# Altium PCB Urukul.PcbDoc (part 7 of 12)
Units mm, origin at the board's own origin, x right, y up, seen from the top; angles counter-clockwise.
Board outline 160.99 x 100 mm, 6 copper layers (L1, P2, L3, L4, P5, L6), stack 1.648 mm thick; 971 components, 541 nets, 3373 pads, 2358 vias.
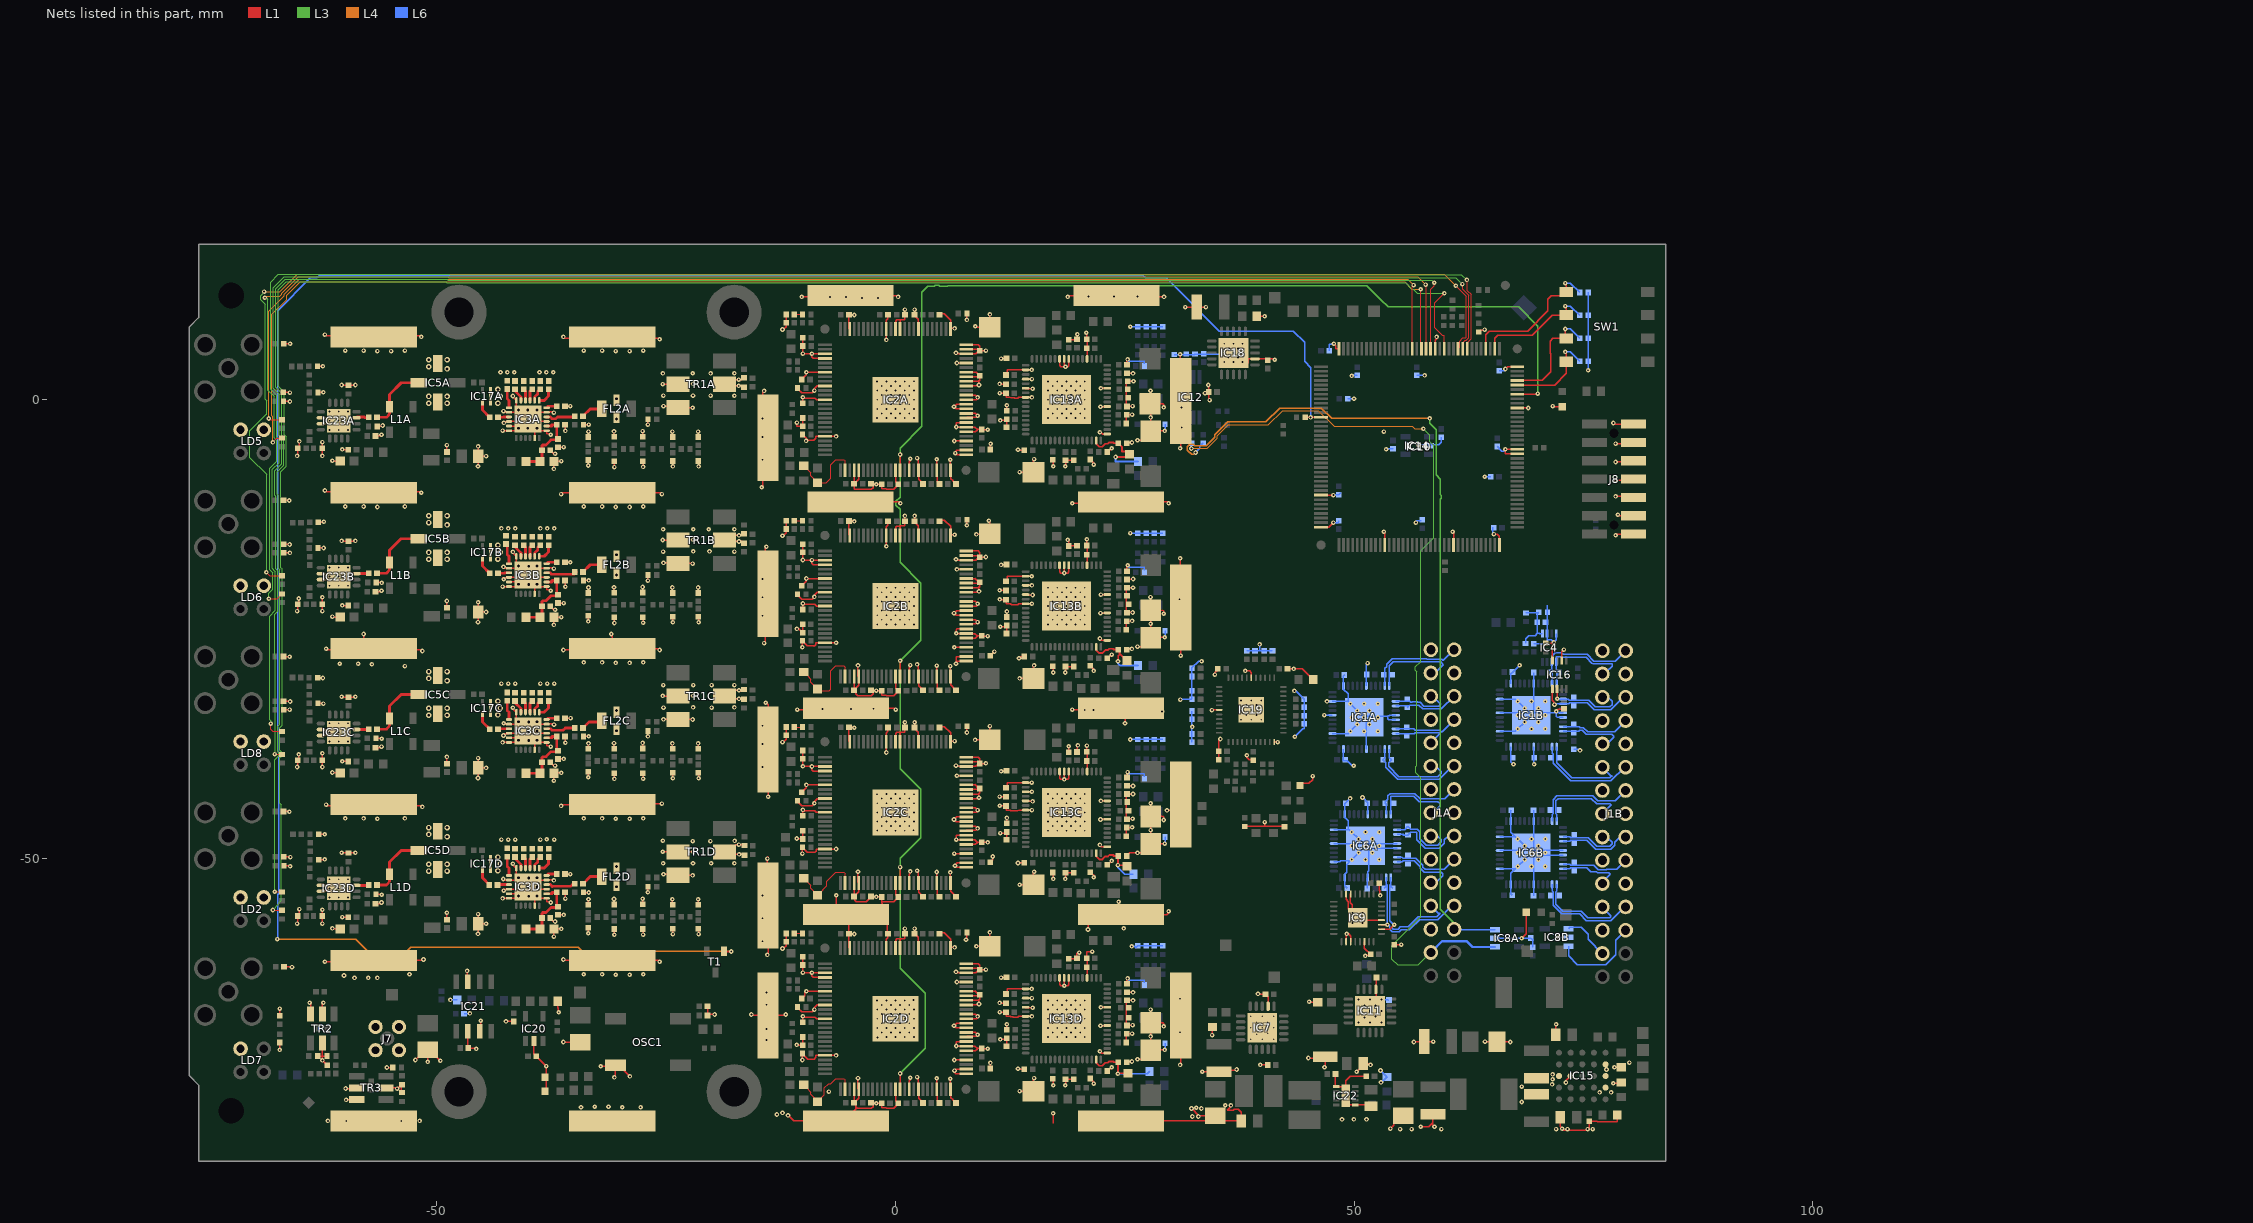
[diagram p11: the nets of this part, all layers, seen from the top]

## Via types
v1: diameter 0.5, hole 0.2, L1 to L6, tented both sides, 2267 vias
v2: diameter 0.6, hole 0.3, L1 to L6, tented both sides, 88 vias
v3: diameter 0.5, hole 0.2, L1 to L6, 3 vias

## Nets (pads, with @x,y where several pads share a name; then routed paths per layer and width w, separated by ;. In a path a pad name is that pad's centre, name@x,y a point inside that pad or via, vN(x,y) a via of type N, cw(c..) or ccw(c..) an arc to the next point about the centre after c; other vN are vias at no path point) (continued)
GND: (continued)
  L1 w0.152: v1(66.5,3.347) 66.75,3.597 IC10.108@67.8,3.597 ; IC10.89@67.8,-5.903 66.5,-5.903 v1(66.5,-5.403) IC10.90@67.8,-5.403 ; IC10.99@67.8,-0.903 v1(69,-0.903) ; v1(68.279,-58.728) 68.775,-58.231 LD3.1@68.775,-55.903 ; C45.1@70.89,-26.55 v1@71.703,-26.55 ; IC16.4@71.64,-28.45 71.64,-26.613 v1@71.703,-26.55 ; v1(71.666,-0.701) 71.729,-0.764 LD10.1@72.708,-0.764 ; v1(71.8,-26.453) v1@71.703,-26.55 ; C64.1@71.99,-69.25 71.99,-68.141 v1(72.029,-68.103) ; v1(72.044,-33.991) 72.273,-33.763 72.827,-33.763 C46.1@72.89,-33.7 ; C70.1@72.49,-78.25 72.49,-79.253 72.717,-79.48 72.916,-79.68 73.279,-79.68 75.335,-79.68 v1(75.472,-79.542) 75.64,-79.375 C67.1@75.64,-78.7 76.518,-78.7 76.546,-78.728 78.657,-78.728 78.69,-78.695 R55.2@78.69,-78 ; IC16.2@72.64,-28.45 72.64,-27.5 v1(72.89,-27.25) ; v1(73.109,-74.462) 73.109,-74.261 IC15.C2@73.62,-73.75 ; v1(78.265,-74.542) 79.048,-74.542 R82.2@79.14,-74.45 ; v1(78.279,-2.542) 78.389,-2.653 J8.13@80.475,-2.653 ; v1(78.39,-72.792) 78.398,-72.8 R87.2@79.14,-72.8 ; v1(78.529,-14.792) 78.668,-14.653 J8.1@80.475,-14.653 ; v1(78.529,-10.542) 80.364,-10.542 J8.5@80.475,-10.653 ; v1(78.529,-8.792) 80.336,-8.792 J8.7@80.475,-8.653 ; v1(78.529,-6.792) 80.336,-6.792 J8.9@80.475,-6.653 ; v1(78.529,-4.792) 80.336,-4.792 J8.11@80.475,-4.653 ; v1(78.779,-12.542) 78.889,-12.653 J8.3@80.475,-12.653 ; v1@-42.875,-53.503 -42.818,-53.446 -42.775,-53.403 -42.726,-53.403 -42.175,-53.403 IC3D.16@-42.15,-53.378 -41.1,-53.378 IC3D.25@-40.35,-53.378 ; IC3D.25@-40.85,-53.878 IC3D.25@-40.35,-53.378 ; IC3C.25@-40.85,-36.878 IC3C.25@-40.35,-36.378 ; IC3B.25@-40.85,-19.878 IC3B.25@-40.35,-19.378 ; IC3A.25@-40.85,-2.878 IC3A.25@-40.35,-2.378 ; IC3D.25@-40.35,-53.378 -40.125,-53.153 -40.1,-53.153 IC3D.25@-40.075,-53.153 ; IC3C.25@-40.35,-36.378 -40.125,-36.153 -40.1,-36.153 IC3C.25@-40.075,-36.153 ; IC3B.25@-40.35,-19.378 -40.125,-19.153 -40.1,-19.153 IC3B.25@-40.075,-19.153 ; IC3A.25@-40.35,-2.378 v2(-40.1,-2.128) ; IC3D.25@-40.075,-53.153 v2(-40,-53.153) ; IC3C.25@-40.075,-36.153 v2(-40,-36.153) ; IC3B.25@-40.075,-19.153 v2(-40,-19.153) ; CLIP14.1@-5.4,-56.153 CLIP14.1@-2.582,-56.153 ; CLIP14.1@-5.4,-56.153 -5.075,-56.478 C159D.1@-5.075,-58.225 ; C120D.1@-4.449,-76.601 -4.325,-76.725 C120D.1@-4.325,-76.878 ; C120D.1@-4.449,-76.601 C120D.1@-4.525,-76.678 C120D.1@-4.325,-76.878 ; C120C.1@-4.449,-54.101 -4.449,-54.178 -4.449,-54.573 -4.259,-54.763 -3.184,-54.763 -2.646,-54.225 v1(-2.1,-54.225) C109C.1@-1.5,-54.225 -1.5,-54.735 ; -4.325,-77.103 C120D.1@-4.325,-76.878 ; CLIP14.1@-2.582,-56.153 -1.409,-54.98 -1.5,-54.89 -1.5,-54.735 ; 0.5,8.552 0.525,7.725 IC2A.62@0.5,7.7 0.5,8.45 0.5,8.552 ; 0.5,8.552 0.525,8.709 ; 0.525,-59.025 0.525,-59.775 IC2D.62@0.5,-59.8 0.5,-59.05 0.525,-59.025 ; 0.525,-59.025 0.525,-58.791 ; 0.525,-36.525 0.525,-37.275 IC2C.62@0.5,-37.3 0.5,-36.55 0.525,-36.525 ; 0.525,-36.525 0.525,-36.291 ; 0.525,-14.025 0.5,-14.05 IC2B.62@0.5,-14.8 0.525,-14.775 0.525,-14.025 ; 0.525,-14.025 0.525,-13.791 ; 9.175,-65.41 C105D.1@9.175,-64.9 ; 9.175,-42.91 C105C.1@9.175,-42.4 ; 9.175,-20.41 C105B.1@9.175,-19.9 ; 9.175,2.09 C105A.1@9.175,2.6 ; v1@10.535,-49.815 10.568,-49.782 10.602,-49.748 v1(10.602,-49.815) ; v1@10.535,-49.815 v1(10.602,-49.815) ; v1@27.809,-21.429 27.82,-21.418 27.82,-21.534 C162B.2@27.82,-22.953 ; C115D.2@27.82,-70.953 v1(27.82,-69.43) C162D.2@27.82,-67.953 ; C115C.2@27.82,-48.453 v1(27.82,-46.93) C162C.2@27.82,-45.453 ; C162C.2@27.82,-45.453 v1(27.82,-44.011) v1@27.82,-43.94 ; v1@27.82,-43.94 27.809,-43.929 27.82,-43.918 v1@27.82,-43.94 ; C115B.2@27.82,-25.953 v1(27.82,-24.43) C162B.2@27.82,-22.953 ; C115A.2@27.82,-3.453 v1(27.82,-1.93) C162A.2@27.82,-0.453 ; C162A.2@27.82,-0.453 27.82,-0.45 27.82,0.971 v1@27.82,1.082
  L3 w0.152: v1(6.375,-68.278) v1@6.375,-68.153 ; v1(6.375,-45.778) v1@6.375,-45.653 ; v1(6.375,-23.278) v1@6.375,-23.153 ; v1(6.375,-0.778) v1@6.375,-0.653 ; v1@10.322,-72.294 v1(10.348,-72.32) ; v1@11.45,-62.953 v1(11.515,-63.018) ; v1@11.45,-40.453 v1(11.515,-40.518) ; v1@11.45,-17.953 v1(11.515,-18.018) ; v1@11.45,4.547 v1(11.515,4.482) ; v1(14.95,-66.303) v1@15.05,-66.203 ; v1(14.95,-43.803) v1@15.05,-43.703 ; v1(14.95,-21.303) v1@15.05,-21.203 ; v1(14.95,1.197) v1@15.05,1.297 ; v1(18.778,-15.292) v1@18.778,-15.134 ; v1@51.176,-60.654 v1(51.224,-60.654)
  L6 w0.152: v1(-48.543,-65.45) -47.802,-65.45 R135.1@-47.8,-65.453 ; C177.1@-47.05,-66.953 -46.54,-66.953 -46.489,-67.004 -46.471,-67.021 -46.409,-66.959 v1(-46.409,-66.924) ; v1(25.308,-63.111) 25.496,-63.298 25.812,-63.298 25.821,-63.29 27.071,-63.29 27.145,-63.363 R15D.2@27.145,-63.603 ; v1(25.308,-40.611) 25.496,-40.798 25.812,-40.798 25.821,-40.79 27.086,-40.79 27.145,-40.848 R15C.2@27.145,-41.103 ; v1(25.308,4.389) 25.496,4.202 25.812,4.202 25.821,4.21 27.059,4.21 27.145,4.125 R15A.2@27.145,3.897 ; v1(25.32,-18.055) 25.32,-18.123 25.496,-18.298 25.812,-18.298 25.821,-18.29 27.131,-18.29 27.145,-18.304 R15B.2@27.145,-18.603 ; v1(25.597,-37.053) R105C.1@26.425,-37.053 R104C.1@27.325,-37.053 R107C.1@28.225,-37.053 R106C.1@29.125,-37.053 ; v1(25.597,-14.553) R105B.1@26.425,-14.553 R104B.1@27.325,-14.553 R107B.1@28.225,-14.553 R106B.1@29.125,-14.553 ; v1(25.597,7.947) R105A.1@26.425,7.947 R104A.1@27.325,7.947 R107A.1@28.225,7.947 R106A.1@29.125,7.947 ; v1(25.756,-59.614) 26.068,-59.614 26.216,-59.762 R105D.1@26.425,-59.553 R104D.1@27.325,-59.553 R107D.1@28.225,-59.553 R106D.1@29.125,-59.553 ; v1(29.359,-70.904) 29.39,-70.872 R94D.1@29.39,-70.18 ; v1(29.359,-48.404) 29.39,-48.372 R94C.1@29.39,-47.68 ; v1(29.359,-25.904) 29.39,-25.872 R94B.1@29.39,-25.18 ; v1(29.359,-3.404) 29.39,-3.372 R94A.1@29.39,-2.68 ; R126.1@30.391,4.926 31.029,4.926 31.687,4.926 32.601,4.926 R128.1@32.652,4.976 33.617,4.976 35.729,4.976 v1(35.85,5.097) ; v1(31.061,-32.711) 31.119,-32.653 R62.1@32.33,-32.653 R63.1@32.33,-31.753 R69.1@32.33,-30.193 R77.1@32.33,-29.293 32.33,-29.257 33.067,-28.52 v1(33.372,-28.52) ; v1(31.179,-0.853) 31.179,-1.92 IC12.4@31.194,-1.935 ; R42.1@32.33,-37.353 R37.1@32.33,-36.453 32.33,-35.683 R60.1@32.33,-34.853 R61.1@32.33,-33.953 ; v1(34.252,-0.04) v1@34.303,0.011 ; R34.1@38.3,-27.383 R70.1@39.2,-27.383 39.722,-27.383 ; v1(39.697,-26.691) 39.722,-26.716 39.722,-27.383 ; R72.1@41.1,-27.383 R71.1@40.2,-27.383 39.722,-27.383 ; v1(43.5,-31.75) 43.667,-31.75 R76.1@44.57,-32.653 R95.1@44.57,-33.553 R101.1@44.57,-34.453 R102.1@44.57,-35.353 44.57,-35.863 44.536,-35.896 44.409,-35.896 v1(43.546,-36.76) ; v1(46.749,-34.403) IC1A.31@47.65,-34.403 ; C201.1@47.3,5.347 47.3,6.047 47.75,6.047 v1(47.8,6.097) ; IC1A.27@47.65,-36.403 49.35,-36.403 v1(49.6,-36.153) v1(50.35,-35.403) v1(51.1,-34.653) ; IC1A.34@47.65,-32.903 IC1A.49@49.35,-32.903 ; v1(47.75,-13.403) 48.25,-13.403 48.35,-13.303 C199.1@48.35,-13.203 ; v1(47.75,-10.403) 47.8,-10.353 C187.1@48.35,-10.353 C187.1@48.528,-10.175 ; IC6A.27@47.8,-50.403 48.462,-50.403 48.5,-50.365 48.5,-50.303 IC6A.49@49.6,-50.303 ; IC6A.31@47.8,-48.403 49.75,-48.403 IC6A.49@51,-48.403 ; IC6A.34@47.8,-46.903 IC6A.49@49.35,-46.903 ; IC1A.23@48.85,-38.103 48.85,-39.278 48.85,-39.353 49.05,-39.353 49.25,-39.353 49.825,-39.928 v1(49.975,-39.928) ; C4B.1@48.975,-30.003 C4B.1@48.95,-30.028 48.85,-30.128 IC1A.38@48.85,-31.203 48.85,-31.553 49.35,-32.053 IC1A.49@49.35,-32.903 ; C2B.1@49.25,-53.253 49,-53.003 IC6A.23@49,-52.103 49,-51.753 49.2,-51.553 49.2,-50.703 IC6A.49@49.6,-50.303 ; C193.1@49.3,0.097 v1(50,0.097) ; v1(49.575,-43.478) 49.087,-43.965 49,-44.053 IC6A.38@49,-45.203 49,-45.553 49.35,-45.903 IC6A.49@49.35,-46.903 ; v1(49.75,2.597) 49.8,2.647 C192.1@50.35,2.647 ; v1(50.925,-43.378) 51.5,-43.953 51.5,-44.003 IC6A.43@51.5,-45.203 ; IC1A.18@51.35,-38.103 51.35,-36.153 51.35,-35.403 51.35,-34.903 v1(51.1,-34.653) ; IC1A.43@51.35,-31.203 51.35,-29.978 51.35,-28.851 v1(51.474,-28.727) ; C7A.1@51.425,-53.303 51.425,-52.178 IC6A.18@51.5,-52.103 51.5,-51.44 51.613,-51.44 51.613,-49.015 IC6A.49@51.5,-48.903 ; IC6A.49@51.5,-48.403 52.75,-48.403 IC6A.6@54.7,-48.403 ; v1(52.889,-73.153) 53.589,-73.853 R136.1@53.6,-73.853 53.009,-74.444 53.009,-74.453 53.009,-74.522 v1(52.939,-74.453) ; v1(52.987,-65.411) 53.697,-65.411 C160.2@53.779,-65.492 ; v1(53.5,-5.403) 53.55,-5.353 C198.1@54.25,-5.353 ; IC1A.7@54.55,-34.903 53.8,-34.903 53.7,-34.803 53.7,-34.528 ; IC1A.6@54.55,-34.403 53.913,-34.403 53.838,-34.478 53.7,-34.478 53.7,-34.528 ; IC6A.7@54.7,-48.903 52.75,-48.903 IC6A.49@51.5,-48.903 ; v1(56.75,-13.403) 56.75,-13.293 56.84,-13.203 C104.1@57.35,-13.203 ; C188.1@56.85,2.647 v1(57.7,2.647) ; v1(57,-4.903) 58.093,-4.903 IC14.2@58.19,-5 58.287,-4.903 59.25,-4.903 59.5,-4.653 C197.1@59.5,-4.103 ; v1(64.25,-8.403) C200.1@64.9,-8.403 ; C185.1@65.15,-13.903 65.15,-13.965 65.15,-14.553 v1(65.25,-14.653) ; IC8A.2@65.375,-58.728 v1(68.279,-58.728) 69.25,-58.728 C10A.1@69.275,-58.703 69.475,-58.903 C10B.1@69.475,-59.728 ; C186.1@65.6,-5.103 66.051,-5.554 66.051,-5.601 66.301,-5.601 v1(66.5,-5.403) ; C184.1@65.85,3.147 66.36,3.147 66.5,3.287 v1(66.5,3.347) ; IC6B.27@65.9,-51.153 IC6B.49@67.6,-51.153 ; IC6B.31@65.9,-49.153 67.85,-49.153 IC6B.49@69.1,-49.153 ; IC6B.34@65.9,-47.653 IC6B.49@67.6,-47.653 ; IC1B.27@65.9,-36.153 67.6,-36.153 v1(67.85,-35.903) v1(68.6,-35.153) v1(69.35,-34.403) ; IC1B.31@65.9,-34.153 67.85,-34.153 IC1B.49@69.1,-34.153 ; IC1B.34@65.9,-32.653 67.6,-32.653 v1(67.85,-32.903) v1(68.6,-33.653) IC1B.49@69.1,-34.153 ; IC1B.23@67.1,-37.853 67.1,-39.053 67.1,-39.46 v1(67.39,-39.75) ; IC1B.38@67.1,-30.953 67.1,-29.903 67.288,-29.715 v1(68.05,-28.953) ; C6A.1@67.15,-44.778 67.1,-44.828 IC6B.38@67.1,-45.953 67.1,-47.153 IC6B.49@67.6,-47.653 ; C7B.1@67.25,-54.028 67.1,-53.878 IC6B.23@67.1,-52.853 67.1,-51.653 IC6B.49@67.6,-51.153 ; C8B.1@69.575,-54.078 69.575,-52.853 69.575,-50.903 69.575,-49.628 69.6,-49.653 70.85,-49.653 IC6B.7@72.8,-49.653 ; C6B.1@69.575,-44.778 69.6,-44.803 IC6B.43@69.6,-45.953 69.6,-47.903 IC6B.49@69.6,-49.153 ; IC1B.18@69.6,-37.853 69.6,-39.053 69.6,-39.71 v1(69.64,-39.75) ; C4A.1@69.6,-29.753 IC1B.43@69.6,-30.953 69.6,-32.903 IC1B.49@69.6,-34.153 ; C13.1@69.6,-26.603 70.9,-26.603 71.05,-26.453 71.05,-26.178 ; 71.05,-22.403 71.05,-23.178 71.05,-24.278 IC4.2@71.05,-25.503 71.05,-26.178 ; IC4.4@72.05,-25.503 72.05,-26.203 v1(71.8,-26.453) 71.525,-26.178 71.05,-26.178 ; v1@72.07,-34.178 72.07,-34.585 72.138,-34.653 IC1B.7@72.8,-34.653 ; v1(72.276,-58.638) 73.39,-58.638 IC8B.2@73.4,-58.628 ; IC6B.6@72.8,-49.153 70.85,-49.153 IC6B.49@69.6,-49.153 ; IC1B.6@72.8,-34.153 72.044,-34.153 70.85,-34.153 IC1B.49@69.6,-34.153 ; C5A.1@73.975,-38.128 74.518,-38.128 v1(74.64,-38.25) ; v1(75.529,3.208) 75.55,3.229 R111.1@75.55,4.192 R83.1@75.55,6.692 R85.1@75.55,9.192 R86.1@75.55,11.692 ; IC6A.49@49.35,-46.903 49.5,-46.903 v1(49.75,-47.153) v1(50.5,-47.903) IC6A.49@51,-48.403 ; IC1A.49@49.35,-32.903 v1(49.6,-33.153) v1(50.35,-33.903) v1(51.1,-34.653) ; IC6A.49@49.6,-50.303 v1(49.75,-50.153) v1(50.5,-49.403) v1(51.25,-48.653) ; IC6A.49@51,-48.403 v1(51.25,-48.653) ; v1(51.1,-34.653) 51.225,-34.528 52.6,-34.528 53.7,-34.528 ; v1(51.25,-48.653) IC6A.49@51.5,-48.903 ; IC6B.49@67.6,-51.153 v1(67.85,-50.903) v1(68.6,-50.153) v1(69.35,-49.403) ; IC6B.49@67.6,-47.653 v1(67.85,-47.903) v1(68.6,-48.653) IC6B.49@69.1,-49.153 ; IC6B.49@69.1,-49.153 v1(69.35,-49.403) ; IC1B.49@69.1,-34.153 v1(69.35,-34.403) ; v1(69.35,-49.403) IC6B.49@69.6,-49.153 ; v1(69.35,-34.403) IC1B.49@69.6,-34.153
  other v1: 55.029,-79.542 56.279,-79.542 59.529,-79.542 72.029,-79.542 73.279,-79.542 76.029,-79.542 72.695,-79.502 -61.9,-78.653 -59.9,-78.653 -53.9,-78.653 -51.9,-78.653 48.689,-78.481 49.984,-78.481 51.356,-78.481 32.373,-78.171 33.033,-78.171 -12.932,-77.947 -12.322,-77.769 33.35,-77.292 32.788,-77.211 -34.3,-77.153 -29.8,-77.153 -27.8,-77.153 -32.8,-77.103 -31.3,-77.103 35.963,-76.931 68.29,-76.585 76.779,-75.542 78.029,-75.542 -7.268,-75.458 68.29,-74.9 71.599,-74.671 71.65,-74.112 -28.971,-73.792 71.65,-73.578 77.529,-73.042 80.029,-72.292 -14.075,-69.814 38.737,-69.744 39.987,-69.744 41.237,-69.744 -1.959,-69.54 2.029,-69.514 -1,-69.5 0,-69.5 1,-69.5 16.64,-69.5 17.64,-69.5 18.64,-69.5 19.64,-69.5 20.64,-69.5 39.387,-69.194 40.587,-69.094 -1.5,-69 -0.5,-69 0.5,-69 1.5,-69 17.14,-69 18.14,-69 19.14,-69 20.14,-69 31.036,-68.981 -14.075,-68.628 -2,-68.5 -1,-68.5 0,-68.5 1,-68.5 2,-68.5 16.64,-68.5 17.64,-68.5 18.64,-68.5 19.64,-68.5 20.64,-68.5 38.737,-68.494 39.987,-68.494 41.237,-68.494 -1.5,-68 -0.5,-68 0.5,-68 1.5,-68 17.14,-68 18.14,-68 19.14,-68 20.14,-68 39.387,-67.894 40.587,-67.894 50.487,-67.911 51.737,-67.911 52.987,-67.911 -2,-67.5 -1,-67.5 0,-67.5 1,-67.5 2,-67.5 16.64,-67.5 17.64,-67.5 18.64,-67.5 19.64,-67.5 20.64,-67.5 51.137,-67.361 52.337,-67.261 38.737,-67.244 39.987,-67.244 41.237,-67.244 -1.5,-67 -0.5,-67 0.5,-67 1.5,-67 17.14,-67 18.14,-67 19.14,-67 20.14,-67 50.487,-66.661 52.987,-66.661 -2,-66.5 -1,-66.5 0,-66.5 1,-66.5 2,-66.5 16.64,-66.5 17.64,-66.5 18.64,-66.5 19.64,-66.5 20.64,-66.5 51.137,-66.061 -14.075,-65.987 -1.5,-66 -0.5,-66 0.5,-66 1.5,-66 17.14,-66 18.14,-66 19.14,-66 20.14,-66 -2.01,-65.527 -1,-65.5 0,-65.5 1,-65.5 1.953,-65.476 16.64,-65.5 17.64,-65.5 18.64,-65.5 19.64,-65.5 20.64,-65.5 50.487,-65.411 51.737,-65.411 31.01,-65.323 -14.075,-64.652 -59,-63.053 -57.5,-63.053 -56.5,-63.053 -60.139,-62.792 -30.5,-62.703 -29,-62.703 -53,-62.653 -34,-62.653 -32,-62.653 -27.5,-62.653 -14.5,-59.053 24.889,-57.653 49.84,-57.05 50.94,-57.05 -14.5,-56.553 49.84,-55.95 50.94,-55.95 -56.05,-54.828 -61.721,-54.292 -60.721,-54.292 -59.721,-54.292 -14.5,-54.053 -61.721,-53.292 -59.721,-53.292 -61.721,-52.292 -60.721,-52.292 -59.721,-52.292 -42.777,-52.268 69.35,-50.903 70.85,-50.903 -25.339,-50.552 -22.088,-50.552 -20.107,-50.552 -17.567,-50.552 51.25,-50.153 52.75,-50.153 70.1,-50.153 52,-49.403 67.85,-49.403 70.85,-49.403 49.75,-48.653 52.75,-48.653 70.1,-48.653 -22.113,-48.139 -20.183,-48.139 -17.541,-48.114 -25.365,-48.088 -42.971,-47.967 -42.221,-47.967 -41.471,-47.967 -38.721,-47.967 -37.221,-47.967 -38.039,-47.936 52,-47.903 69.35,-47.903 70.85,-47.903 51.25,-47.153 52.75,-47.153 -1.984,-46.985 -1,-47 0,-47 1,-47 16.64,-47 17.64,-47 18.64,-47 19.64,-47 20.64,-47 1.953,-46.959 -1.5,-46.5 -0.5,-46.5 0.5,-46.5 1.5,-46.5 17.14,-46.5 18.14,-46.5 19.14,-46.5 20.14,-46.5 -2,-46 -1,-46 0,-46 1,-46 2,-46 16.64,-46 17.64,-46 18.64,-46 19.64,-46 20.64,-46 -56.5,-45.703 -30.5,-45.703 -29,-45.703 -60,-45.653 -58,-45.653 -53.5,-45.653 -34,-45.653 -32,-45.653 -27.5,-45.653 -1.5,-45.5 -0.5,-45.5 0.5,-45.5 1.5,-45.5 17.14,-45.5 18.14,-45.5 19.14,-45.5 20.14,-45.5 -2,-45 -1,-45 0,-45 1,-45 2,-45 16.64,-45 17.64,-45 18.64,-45 19.64,-45 20.64,-45 -1.5,-44.5 -0.5,-44.5 0.5,-44.5 1.5,-44.5 17.14,-44.5 18.14,-44.5 19.14,-44.5 20.14,-44.5 -2,-44 -1,-44 0,-44 1,-44 2,-44 16.64,-44 17.64,-44 18.64,-44 19.64,-44 20.64,-44 -1.5,-43.5 -0.5,-43.5 0.5,-43.5 1.5,-43.5 17.14,-43.5 18.14,-43.5 19.14,-43.5 20.14,-43.5 -2.01,-43.022 2.003,-43.022 -1,-43 0,-43 1,-43 16.64,-43 17.64,-43 18.64,-43 19.64,-43 20.64,-43 -14.5,-40.053 -56.05,-37.828 -14.5,-37.553 -61.721,-37.292 -60.721,-37.292 -59.721,-37.292 -61.721,-36.292 -59.721,-36.292 51.1,-36.153 52.6,-36.153 69.35,-35.903 70.85,-35.903 32.356,-35.683 -14.5,-35.553 51.674,-35.403 -61.721,-35.292 -60.721,-35.292 -59.721,-35.292 70.1,-35.153 37.687,-34.894 38.787,-34.894 39.887,-34.894 49.75,-34.653 52.6,-34.653 67.85,-34.403 70.85,-34.403 38.25,-34.378 39.35,-34.378 29.071,-34 37.687,-33.894 39.887,-33.894 51.674,-33.903 20.638,-33.848 21.578,-33.848 38.787,-33.828 -7.963,-33.721 -4.864,-33.721 -2.4,-33.695 70.1,-33.653 -25.3,-33.578 -20.05,-33.578 -22.075,-33.553 -17.575,-33.553 38.25,-33.278 39.35,-33.278 51.1,-33.153 52.6,-33.153 47.049,-32.903 69.35,-32.903 70.85,-32.903 37.687,-32.794 38.787,-32.794 39.887,-32.794 -25.325,-31.128 -22.05,-31.128 -20.05,-31.128 -17.575,-31.128 -42.971,-30.968 -42.221,-30.968 -41.471,-30.968 -38.721,-30.968 -37.971,-30.968 -37.221,-30.968 -53.5,-29.053 -57.1,-28.842 -60.6,-28.792 -58.6,-28.792 6.6,-28.792 -30.5,-28.703 -29,-28.703 -34,-28.653 -32,-28.653 -27.5,-28.653 -2,-24.5 -1,-24.5 0,-24.5 1,-24.5 2,-24.5 16.64,-24.5 17.64,-24.5 18.64,-24.5 19.64,-24.5 20.64,-24.5 -1.5,-24 -0.5,-24 0.5,-24 1.5,-24 17.14,-24 18.14,-24 19.14,-24 20.14,-24 -14.5,-23.553 -2,-23.5 -1,-23.5 0,-23.5 1,-23.5 2,-23.5 16.64,-23.5 17.64,-23.5 18.64,-23.5 19.64,-23.5 20.64,-23.5 -1.5,-23 -0.5,-23 0.5,-23 1.5,-23 17.14,-23 18.14,-23 19.14,-23 20.14,-23 -2,-22.5 -1,-22.5 0,-22.5 1,-22.5 2,-22.5 16.64,-22.5 17.64,-22.5 18.64,-22.5 19.64,-22.5 20.64,-22.5 -1.5,-22 -0.5,-22 0.5,-22 1.5,-22 17.14,-22 18.14,-22 19.14,-22 20.14,-22 30.976,-21.757 -14.5,-21.553 -2,-21.5 -1,-21.5 0,-21.5 1,-21.5 2,-21.5 16.64,-21.5 17.64,-21.5 18.64,-21.5 19.64,-21.5 20.64,-21.5 -1.5,-21 -0.5,-21 0.5,-21 1.5,-21 17.14,-21 18.14,-21 19.14,-21 20.14,-21 -56.05,-20.828 -2,-20.5 -1,-20.5 0,-20.5 1,-20.5 2,-20.5 16.64,-20.5 17.64,-20.5 18.64,-20.5 19.64,-20.5 20.64,-20.5 -61.721,-20.292 -60.721,-20.292 -59.721,-20.292 -14.5,-19.553 -61.721,-19.292 -59.721,-19.292 -61.721,-18.292 -60.721,-18.292 -59.721,-18.292 -25.339,-16.567 -17.567,-16.567 -22.063,-16.541 -20.285,-16.541 -25.339,-14.128 -22.063,-14.128 -20.361,-14.128 -17.567,-14.128 -42.971,-14.042 -42.221,-14.042 -41.471,-14.042 -38.721,-14.042 -37.971,-14.042 -37.221,-14.042 -56.5,-11.703 -30.5,-11.703 -29,-11.703 -60,-11.653 -58,-11.653 -53.5,-11.653 -34,-11.653 -32,-11.653 -27.5,-11.653 -14.5,-6.553 -14.5,-4.053 -56.05,-3.828 53.25,-3.478 -61.721,-3.292 -60.721,-3.292 -59.721,-3.292 31.204,-3.037 -61.721,-2.292 -59.721,-2.292 -14.5,-2.053 -2.035,-2.001 2.003,-2.001 -1,-2 0,-2 1,-2 16.64,-2 17.64,-2 18.64,-2 19.64,-2 20.64,-2 -1.5,-1.5 -0.5,-1.5 0.5,-1.5 1.5,-1.5 17.14,-1.5 18.14,-1.5 19.14,-1.5 20.14,-1.5 -61.721,-1.292 -60.721,-1.292 -59.721,-1.292 -2,-1 -1,-1 0,-1 1,-1 2,-1 16.64,-1 17.64,-1 18.64,-1 19.64,-1 20.64,-1 -1.5,-0.5 -0.5,-0.5 0.5,-0.5 1.5,-0.5 17.14,-0.5 18.14,-0.5 19.14,-0.5 20.14,-0.5 -2,0 -1,0 0,0 1,0 2,0 16.64,0 17.64,0 18.64,0 19.64,0 20.64,0 -17.567,0.426 -25.314,0.451 -22.088,0.451 -20.158,0.451 -1.5,0.5 -0.5,0.5 0.5,0.5 1.5,0.5 17.14,0.5 18.14,0.5 19.14,0.5 20.14,0.5 -2,1 -1,1 0,1 1,1 2,1 16.64,1 17.64,1 18.64,1 19.64,1 20.64,1 -1.5,1.5 -0.5,1.5 0.5,1.5 1.5,1.5 17.14,1.5 18.14,1.5 19.14,1.5 20.14,1.5 -2.01,1.987 -1,2 0,2 1,2 2.003,2.012 16.64,2 17.64,2 18.64,2 19.75,2 20.64,2 -25.365,2.864 -20.158,2.864 -22.113,2.89 -17.567,2.89 -43.071,2.983 -42.321,2.983 -41.571,2.983 -38.821,2.983 -38.071,2.983 -37.321,2.983 35.85,4.097 36.85,4.097 37.85,4.097 37.35,4.597 36.287,4.606 36.85,5.097 37.85,5.097 -56.5,5.297 -55,5.297 -30.5,5.297 -29,5.297 -60,5.347 -58,5.347 -53.5,5.347 -34,5.347 -32,5.347 -27.5,5.347 36.35,5.597 37.35,5.597 35.85,6.097 36.85,6.097 37.85,6.097 -3.65,11.097 -1.9,11.097 21.044,11.237 23.813,11.237 26.378,11.263
  other v2: -40,-54.153 -39.1,-54.128 -41.1,-53.128 -39.1,-53.128 -30.425,-53.108 -40,-52.153 -39.1,-52.128 -50.9,-51.403 -48.9,-51.403 -43.35,-51.378 -30.425,-50.898 -50.9,-50.653 -48.9,-50.653 -43.1,-50.628 -43.35,-49.878 -48.9,-47.653 -50.9,-47.403 -50.9,-46.653 -48.9,-46.653 -40,-37.153 -39.1,-37.128 -41.1,-36.128 -39.1,-36.128 -30.425,-36.108 -40,-35.153 -39.1,-35.128 -50.9,-34.403 -48.9,-34.403 -43.35,-34.378 -30.425,-33.898 -50.9,-33.653 -48.9,-33.653 -43.1,-33.628 -43.35,-32.878 -48.9,-30.653 -50.9,-30.403 -50.9,-29.653 -48.9,-29.653 -40,-20.153 -39.1,-20.128 -41.1,-19.128 -39.1,-19.128 -30.425,-19.108 -40,-18.153 -39.1,-18.128 -50.9,-17.403 -48.9,-17.403 -43.35,-17.378 -30.425,-16.898 -50.9,-16.653 -48.9,-16.653 -43.1,-16.628 -43.35,-15.878 -48.9,-13.653 -50.9,-13.403 -50.9,-12.653 -48.9,-12.653 -40.1,-3.128 -39.1,-3.128 -41.1,-2.128 -39.1,-2.128 -30.425,-2.108 -40.1,-1.128 -39.1,-1.128 -50.9,-0.403 -48.9,-0.403 -43.35,-0.378 -30.425,0.102 -50.9,0.347 -48.9,0.347 -43.1,0.372 -43.35,1.122 -48.9,3.347 -50.9,3.597 -50.9,4.347 -48.9,4.347
I2C_SCLA: IC8A.1 J1A.27 R125.1 | length 102.2
  L3 w0.127: v1(57.569,-3.164) 58.281,-3.876 58.281,-4.564 58.686,-4.97 58.686,-15.078 57.265,-16.499 57.265,-28.565 56.685,-29.145 56.685,-29.51 56.821,-29.647 56.821,-39.914 56.735,-40 56.735,-40.695 57.265,-41.224 57.265,-56.403 54.115,-59.552 54.115,-61 54.75,-61.635 57.024,-61.635 J1A.27@58.377,-60.282
  L4 w0.127: v1(32.271,-5.323) 32.284,-5.31 34.007,-5.31 35.09,-4.227 35.09,-3.926 36.284,-2.733 40.653,-2.733 42.202,-1.183 46.116,-1.183 47.818,-2.885 56.35,-2.885 56.63,-3.164 v1(57.569,-3.164)
  L6 w0.127: v1(32.271,-5.323) 32.271,-4.791 R125.1@32.314,-4.748
  L6 w0.254: J1A.27@58.377,-60.282 59.617,-59.042 62.279,-59.042 62.914,-59.678 IC8A.1@65.375,-59.678
I2C_SCLB: IC8B.1 J1B.27 | length 5.2
  L6 w0.152: IC8B.1@73.4,-57.678 73.536,-57.542 74.779,-57.542 75.529,-58.292 75.529,-58.841 J1B.27@77.08,-60.393
I2C_SDAA: IC8A.3 J1A.26 R124.1 | length 93.4
  L3 w0.152: v1(58.255,-2.047) 58.23,-2.021 58.23,-2.047 58.23,-2.575 58.953,-3.298 58.953,-8.206 59.424,-8.676 59.424,-10.353 59.5,-10.429 59.5,-10.726 59.389,-10.836 59.389,-55.556 60.917,-57.083 J1A.26@60.917,-57.742
  L4 w0.152: v1(32.728,-5.755) 32.525,-5.958 32.296,-5.958 32.114,-5.776 32.083,-5.776 31.818,-5.511 31.818,-5.48 31.814,-5.476 31.818,-5.472 31.818,-5.136 32.083,-4.87 32.089,-4.87 32.093,-4.866 32.097,-4.87 32.459,-4.87 32.632,-5.044 33.897,-5.044 34.824,-4.117 34.824,-3.816 36.212,-2.428 40.399,-2.428 41.91,-0.917 46.433,-0.917 47.564,-2.047 v1(58.255,-2.047)
  L6 w0.152: v1(32.728,-5.755) 33.185,-5.298 33.185,-5.069 33.507,-4.748 R124.1@33.564,-4.748 ; J1A.26@60.917,-57.742 60.953,-57.778 IC8A.3@65.375,-57.778